# KiCad board TEST_PANEL.kicad_pcb (continued)
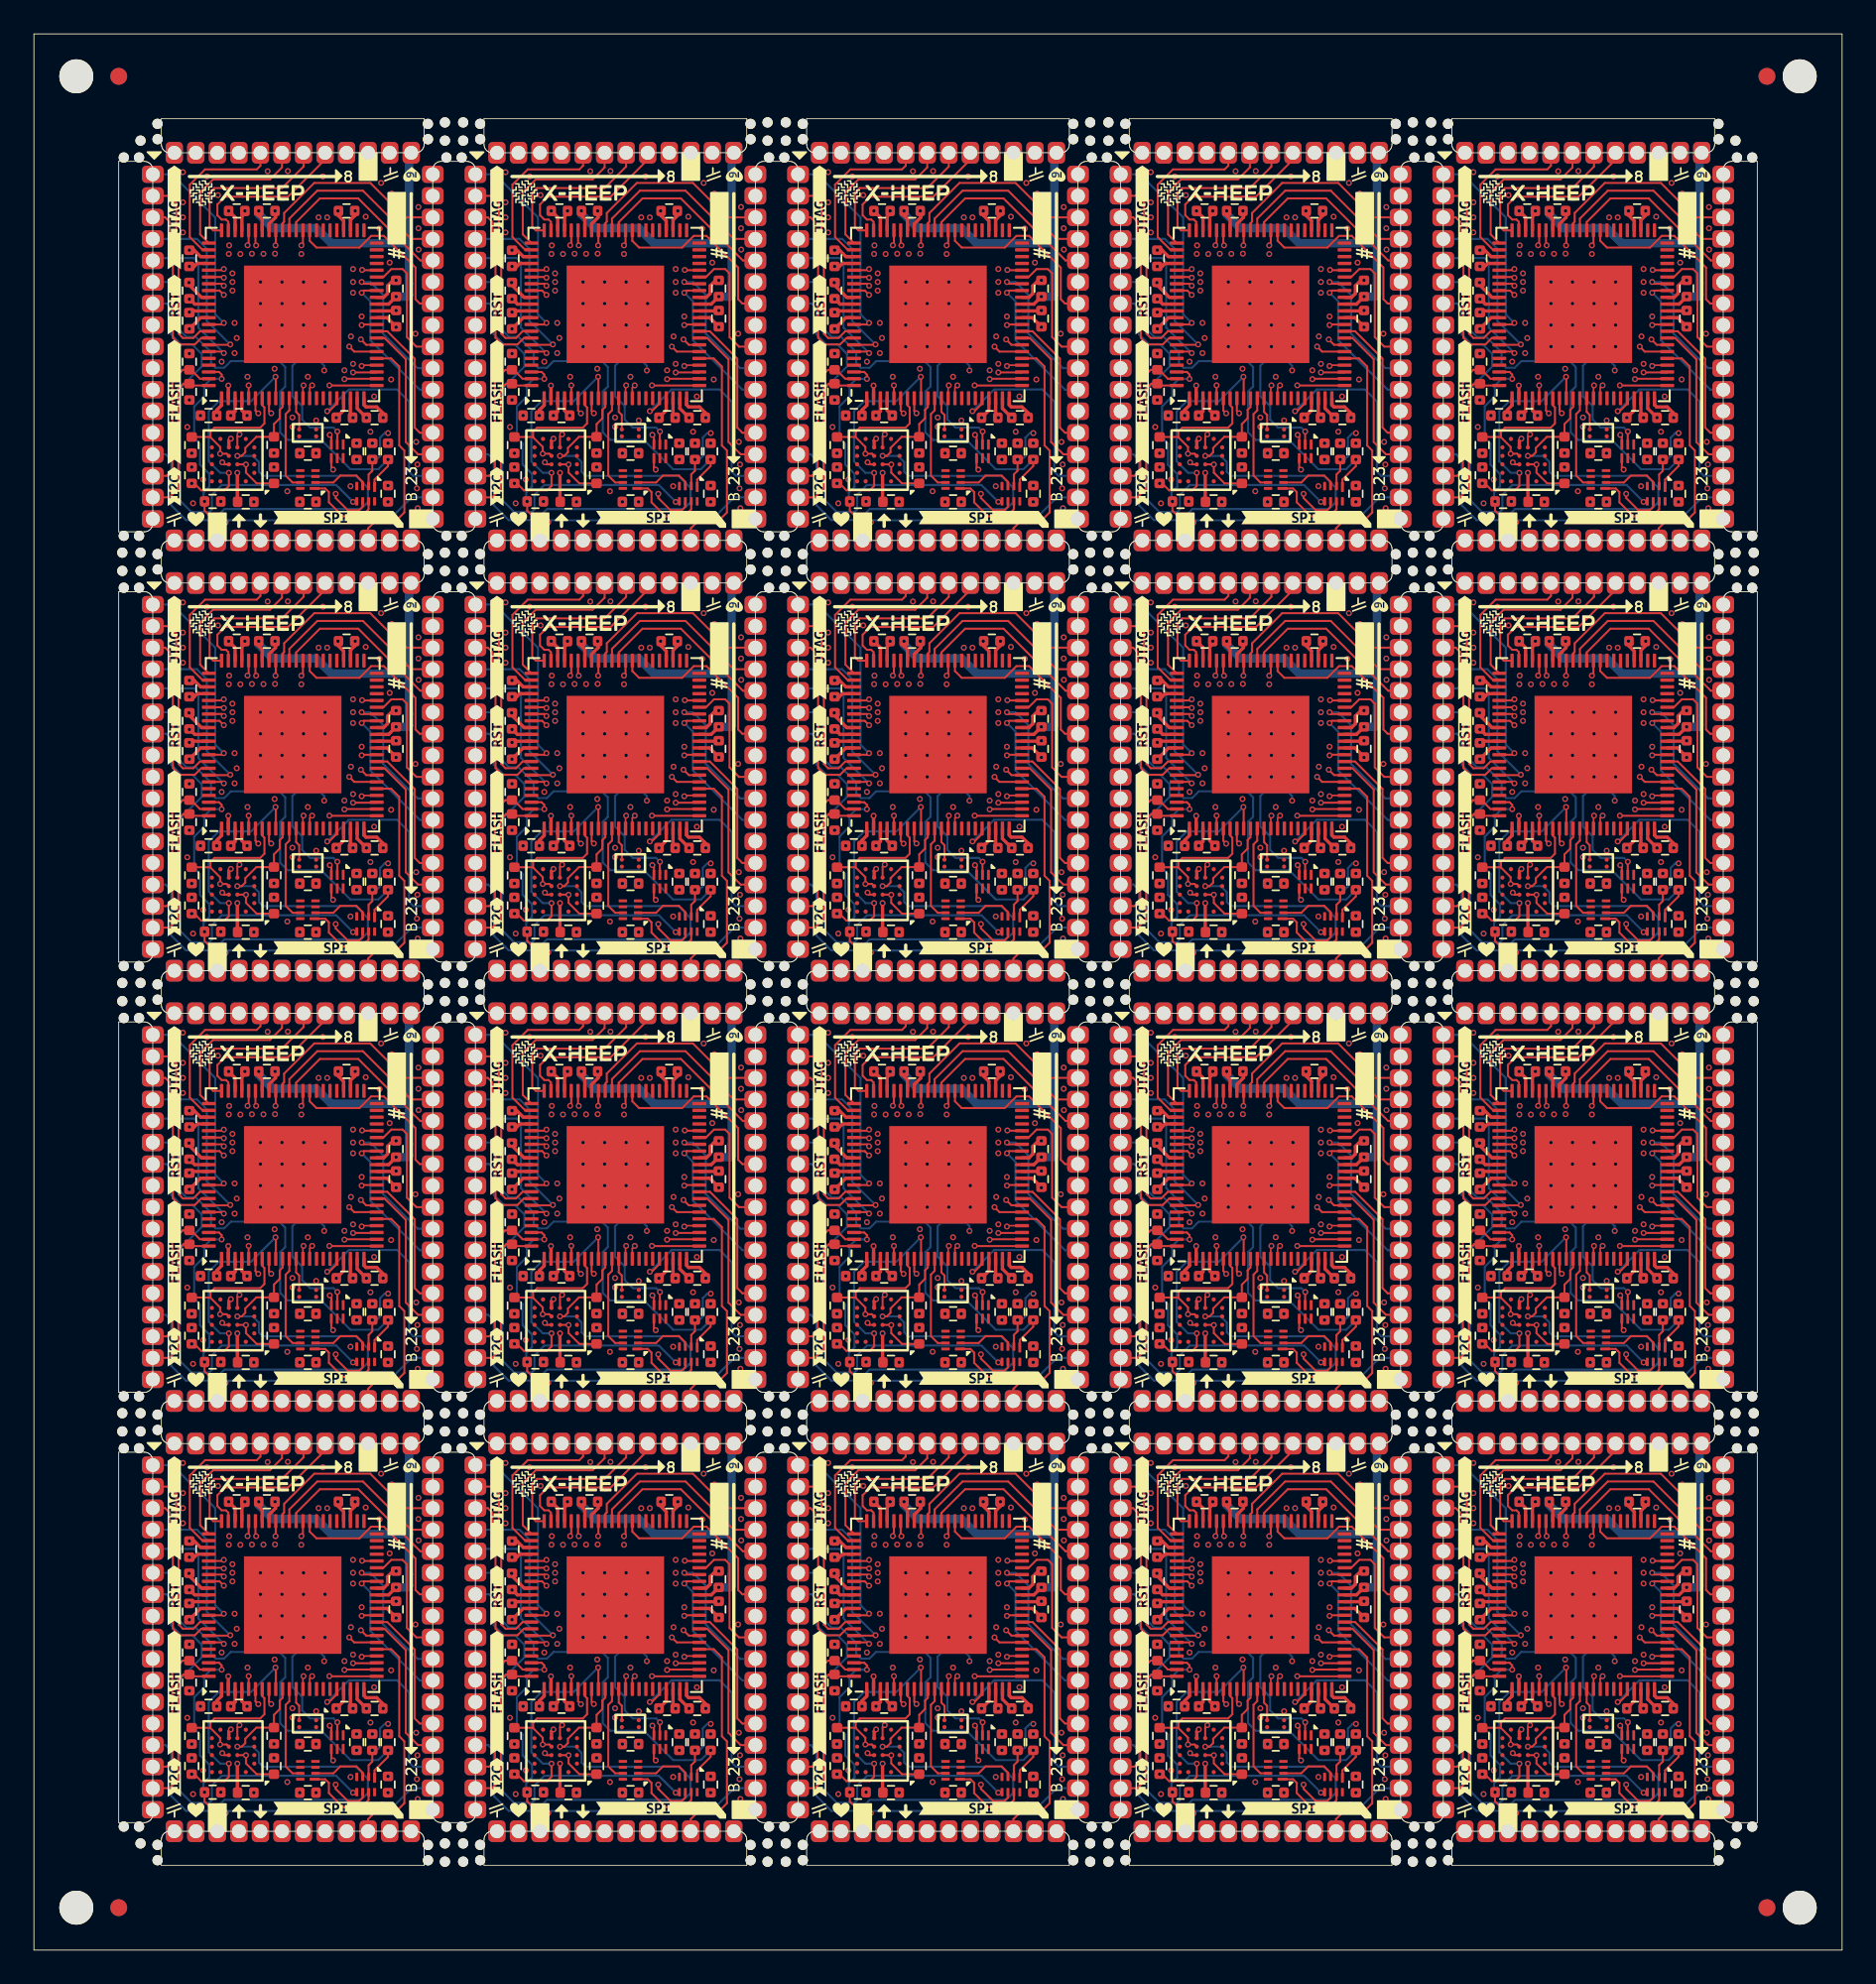
[diagram p0: board, top side]
## Routing (per net, layer and track width the routed paths; a pad name or vN(x,y) marks a point on that pad's centre or on a via; arc(x,y) is an arc through that point) (continued)
Board_15-FLASH_nHLD_nRST: length 402
  Top w0.12: R43.2 89.24,10.37 88.61,11.01 v1(88.61,11.49) 88.6,11.5 U22.C3 ; U26.8 13.86,40.01 v1(13.99,39.88) ; U67.C3 69.57,62.24 v1(69.58,62.23) 69.58,61.75 70.22,61.11 R124.2 ; U77.C3 12.5,87.61 v1(12.5,87.6) 12.5,87.12 13.14,86.48 R142.2 ; U27.C3 12.5,36.87 v1(12.5,36.86) 12.5,36.38 13.14,35.74 14.16,35.74 ; v1(33.02,65.25) 32.89,65.38 U56.8 ; U57.C3 31.52,62.24 v1(31.53,62.23) 31.53,61.75 32.16,61.11 R106.2 ; U71.8 89.97,65.38 v1(90.1,65.25) ; U66.8 70.94,65.38 v1(71.07,65.25) ; R97.2 13.14,61.11 12.5,61.75 v1(12.5,62.23) 12.5,62.24 U52.C3 ; 33.18,35.74 32.16,35.74 31.53,36.38 v1(31.53,36.86) 31.52,36.87 U32.C3 ; U76.8 13.86,90.75 v1(13.99,90.62) ; v1(13.99,65.25) 13.86,65.38 U51.8 ; U92.C3 69.57,87.61 v1(69.58,87.6) 69.58,87.12 70.22,86.48 R169.2 ; U96.8 89.97,90.75 v1(90.1,90.62) ; R16.2 32.16,10.37 31.53,11.01 v1(31.53,11.49) 31.52,11.5 U7.C3 ; v1(13.99,14.51) 13.86,14.64 U1.8 ; U86.8 51.91,90.75 v1(52.05,90.62) ; v1(90.1,39.88) 89.97,40.01 U46.8 ; U72.C3 88.6,62.24 v1(88.61,62.23) 88.61,61.75 89.24,61.11 R133.2 ; v1(71.07,14.51) 70.94,14.64 U16.8 ; U87.C3 50.55,87.61 v1(50.56,87.6) 50.56,87.12 51.19,86.48 R160.2 ; 71.23,35.74 70.22,35.74 69.58,36.38 v1(69.58,36.86) 69.57,36.87 U42.C3 ; U82.C3 31.52,87.61 v1(31.53,87.6) 31.53,87.12 32.16,86.48 R151.2 ; U11.8 51.91,14.64 v1(52.05,14.51) ; U36.8 51.91,40.01 v1(52.05,39.88) ; 52.21,35.74 51.19,35.74 50.56,36.38 v1(50.56,36.86) 50.55,36.87 U37.C3 ; U21.8 89.97,14.64 v1(90.1,14.51) ; U31.8 32.89,40.01 v1(33.02,39.88) ; R34.2 70.22,10.37 69.58,11.01 v1(69.58,11.49) 69.57,11.5 U17.C3 ; R7.2 13.14,10.37 12.5,11.01 v1(12.5,11.49) 12.5,11.5 U2.C3 ; U97.C3 88.6,87.61 v1(88.61,87.6) 88.61,87.12 89.24,86.48 R178.2 ; U81.8 32.89,90.75 v1(33.02,90.62) ; 90.26,35.74 89.24,35.74 88.61,36.38 v1(88.61,36.86) 88.6,36.87 U47.C3 ; U91.8 70.94,90.75 v1(71.07,90.62) ; U61.8 51.91,65.38 v1(52.05,65.25) ; U62.C3 50.55,62.24 v1(50.56,62.23) 50.56,61.75 51.19,61.11 R115.2 ; U12.C3 50.55,11.5 v1(50.56,11.49) 50.56,11.01 51.19,10.37 R25.2 ; U41.8 70.94,40.01 v1(71.07,39.88) ; v1(33.02,14.51) 32.89,14.64 U6.8
  In3.Cu w0.12: J17.13 26.82,89.47 27.17,89.12 27.17,85.77 28.17,84.77 31.12,84.77 31.5,85.15 31.5,85.75 32.02,86.27 32.02,87.62 ; 51.05,36.88 51.05,37.88 52.2,39.03 52.2,39.73 v1(52.05,39.88) ; 51.05,36.88 51.03,36.86 v1(50.56,36.86) ; 51.05,36.88 51.05,35.53 50.52,35 50.52,34.4 50.15,34.03 47.2,34.03 46.2,35.03 46.2,38.38 45.85,38.73 J8.13 ; 89.1,36.88 89.1,37.88 90.25,39.03 90.25,39.73 v1(90.1,39.88) ; 89.1,36.88 89.1,35.53 88.57,35 88.57,34.4 88.2,34.03 85.25,34.03 84.25,35.03 84.25,38.38 83.9,38.73 J10.13 ; 89.1,36.88 89.08,36.86 v1(88.61,36.86) ; 12.99,11.51 12.99,10.16 12.47,9.63 12.47,9.03 12.09,8.66 9.14,8.66 8.14,9.66 8.14,13.01 7.79,13.36 J1.13 ; 12.99,11.51 12.97,11.49 v1(12.5,11.49) ; 12.99,11.51 12.99,12.51 14.14,13.66 14.14,14.36 v1(13.99,14.51) ; 70.07,11.51 70.07,10.16 69.55,9.63 69.55,9.03 69.17,8.66 66.22,8.66 65.22,9.66 65.22,13.01 64.87,13.36 J4.13 ; 70.07,11.51 70.07,12.51 71.22,13.66 71.22,14.36 v1(71.07,14.51) ; 70.07,11.51 70.05,11.49 v1(69.58,11.49) ; v1(71.07,90.62) 71.22,90.47 71.22,89.77 70.07,88.62 70.07,87.62 ; J19.13 64.87,89.47 65.22,89.12 65.22,85.77 66.22,84.77 69.17,84.77 69.55,85.15 69.55,85.75 70.07,86.27 70.07,87.62 ; 51.05,62.25 51.05,63.25 52.2,64.4 52.2,65.1 v1(52.05,65.25) ; 51.05,62.25 51.05,60.9 50.52,60.37 50.52,59.77 50.15,59.4 47.2,59.4 46.2,60.4 46.2,63.75 45.85,64.1 J13.13 ; 51.05,62.25 51.03,62.23 v1(50.56,62.23) ; 70.07,87.62 70.05,87.6 v1(69.58,87.6) ; 89.1,11.51 89.1,12.51 90.25,13.66 90.25,14.36 v1(90.1,14.51) ; 89.1,11.51 89.1,10.16 88.57,9.63 88.57,9.03 88.2,8.66 85.25,8.66 84.25,9.66 84.25,13.01 83.9,13.36 J5.13 ; 89.1,11.51 89.08,11.49 v1(88.61,11.49) ; 89.1,62.25 89.08,62.23 v1(88.61,62.23) ; 89.1,62.25 89.1,63.25 90.25,64.4 90.25,65.1 v1(90.1,65.25) ; 89.1,62.25 89.1,60.9 88.57,60.37 88.57,59.77 88.2,59.4 85.25,59.4 84.25,60.4 84.25,63.75 83.9,64.1 J15.13 ; v1(12.5,87.6) 12.97,87.6 12.99,87.62 ; 70.07,36.88 70.07,35.53 69.55,35 69.55,34.4 69.17,34.03 66.22,34.03 65.22,35.03 65.22,38.38 64.87,38.73 J9.13 ; 70.07,36.88 70.05,36.86 v1(69.58,36.86) ; 70.07,36.88 70.07,37.88 71.22,39.03 71.22,39.73 v1(71.07,39.88) ; v1(31.53,11.49) 32,11.49 32.02,11.51 ; v1(88.61,87.6) 89.08,87.6 89.1,87.62 ; v1(31.53,62.23) 32,62.23 32.02,62.25 ; 12.99,62.25 12.99,60.9 12.47,60.37 12.47,59.77 12.09,59.4 9.14,59.4 8.14,60.4 8.14,63.75 7.79,64.1 J11.13 ; 12.99,62.25 12.97,62.23 v1(12.5,62.23) ; 12.99,62.25 12.99,63.25 14.14,64.4 14.14,65.1 v1(13.99,65.25) ; v1(33.02,39.88) 33.17,39.73 33.17,39.03 32.02,37.88 32.02,36.88 ; 12.99,36.88 12.99,37.88 14.14,39.03 14.14,39.73 v1(13.99,39.88) ; 12.99,36.88 12.99,35.53 12.47,35 12.47,34.4 12.09,34.03 9.14,34.03 8.14,35.03 8.14,38.38 7.79,38.73 J6.13 ; 12.99,36.88 12.97,36.86 v1(12.5,36.86) ; v1(31.53,36.86) 32,36.86 32.02,36.88 ; J7.13 26.82,38.73 27.17,38.38 27.17,35.03 28.17,34.03 31.12,34.03 31.5,34.4 31.5,35 32.02,35.53 32.02,36.88 ; 12.99,87.62 12.99,86.27 12.47,85.75 12.47,85.15 12.09,84.77 9.14,84.77 8.14,85.77 8.14,89.12 7.79,89.47 J16.13 ; 12.99,87.62 12.99,88.62 14.14,89.77 14.14,90.47 v1(13.99,90.62) ; 89.1,87.62 89.1,86.27 88.57,85.75 88.57,85.15 88.2,84.77 85.25,84.77 84.25,85.77 84.25,89.12 83.9,89.47 J20.13 ; 89.1,87.62 89.1,88.62 90.25,89.77 90.25,90.47 v1(90.1,90.62) ; 70.07,62.25 70.07,60.9 69.55,60.37 69.55,59.77 69.17,59.4 66.22,59.4 65.22,60.4 65.22,63.75 64.87,64.1 J14.13 ; 70.07,62.25 70.07,63.25 71.22,64.4 71.22,65.1 v1(71.07,65.25) ; 70.07,62.25 70.05,62.23 v1(69.58,62.23) ; J2.13 26.82,13.36 27.17,13.01 27.17,9.66 28.17,8.66 31.12,8.66 31.5,9.03 31.5,9.63 32.02,10.16 32.02,11.51 ; 32.02,11.51 32.02,12.51 33.17,13.66 33.17,14.36 v1(33.02,14.51) ; 51.05,11.51 51.05,10.16 50.52,9.63 50.52,9.03 50.15,8.66 47.2,8.66 46.2,9.66 46.2,13.01 45.85,13.36 J3.13 ; 51.05,11.51 51.05,12.51 52.2,13.66 52.2,14.36 v1(52.05,14.51) ; 51.05,11.51 51.03,11.49 v1(50.56,11.49) ; v1(31.53,87.6) 32,87.6 32.02,87.62 ; v1(33.02,65.25) 33.17,65.1 33.17,64.4 32.02,63.25 32.02,62.25 ; 51.05,87.62 51.05,86.27 50.52,85.75 50.52,85.15 50.15,84.77 47.2,84.77 46.2,85.77 46.2,89.12 45.85,89.47 J18.13 ; 51.05,87.62 51.03,87.6 v1(50.56,87.6) ; 51.05,87.62 51.05,88.62 52.2,89.77 52.2,90.47 v1(52.05,90.62) ; 32.02,87.62 32.02,88.62 33.17,89.77 33.17,90.47 v1(33.02,90.62) ; 32.02,62.25 32.02,60.9 31.5,60.37 31.5,59.77 31.12,59.4 28.17,59.4 27.17,60.4 27.17,63.75 26.82,64.1 J12.13
Board_15-FLASH_nWP: length 362.1
  Top w0.12: 28.48,63.85 29.42,63.85 29.44,63.83 ; 10.41,63.83 10.41,64.17 10.64,64.4 13.34,64.4 13.59,64.65 13.59,65.59 13.46,65.72 U51.7 ; 10.41,63.83 10.98,63.26 v1(10.98,62.86) 11.37,62.86 U52.D4 ; 10.41,63.83 10.39,63.85 9.46,63.85 ; 86.52,63.83 86.5,63.85 85.56,63.85 ; 86.52,63.83 87.08,63.26 v1(87.08,62.86) 87.47,62.86 U72.D4 ; 86.52,63.83 86.52,64.17 86.75,64.4 89.45,64.4 89.7,64.65 89.7,65.59 89.57,65.72 U71.7 ; 48.46,89.2 49.03,88.63 v1(49.03,88.23) 49.42,88.23 U87.D4 ; 48.46,89.2 48.44,89.22 47.51,89.22 ; 48.46,89.2 48.46,89.54 48.7,89.77 51.4,89.77 51.65,90.02 51.65,90.96 51.51,91.09 U86.7 ; 85.56,89.22 86.5,89.22 86.52,89.2 ; 48.46,63.83 48.44,63.85 47.51,63.85 ; 48.46,63.83 49.03,63.26 v1(49.03,62.86) 49.42,62.86 U62.D4 ; 48.46,63.83 48.46,64.17 48.7,64.4 51.4,64.4 51.65,64.65 51.65,65.59 51.51,65.72 U61.7 ; 10.41,13.09 10.41,13.43 10.64,13.66 13.34,13.66 13.59,13.91 13.59,14.85 13.46,14.98 U1.7 ; 10.41,13.09 10.39,13.11 9.46,13.11 ; 10.41,13.09 10.98,12.52 v1(10.98,12.12) 11.37,12.12 U2.D4 ; U26.7 13.46,40.35 13.59,40.22 13.59,39.28 13.34,39.03 10.64,39.03 10.41,38.8 10.41,38.46 ; 9.46,89.22 10.39,89.22 10.41,89.2 ; U57.D4 30.39,62.86 v1(30.01,62.86) 30.01,63.26 29.44,63.83 ; U22.D4 87.47,12.12 v1(87.08,12.12) 87.08,12.52 86.52,13.09 ; U21.7 89.57,14.98 89.7,14.85 89.7,13.91 89.45,13.66 86.75,13.66 86.52,13.43 86.52,13.09 ; 48.46,13.09 49.03,12.52 v1(49.03,12.12) 49.42,12.12 U12.D4 ; 48.46,13.09 48.44,13.11 47.51,13.11 ; 48.46,13.09 48.46,13.43 48.7,13.66 51.4,13.66 51.65,13.91 51.65,14.85 51.51,14.98 U11.7 ; 29.44,38.46 29.44,38.8 29.67,39.03 32.37,39.03 32.62,39.28 32.62,40.22 32.49,40.35 U31.7 ; 29.44,38.46 30.01,37.89 v1(30.01,37.49) 30.39,37.49 U32.D4 ; 29.44,38.46 29.42,38.48 28.48,38.48 ; 86.52,89.2 87.08,88.63 v1(87.08,88.23) 87.47,88.23 U97.D4 ; 86.52,89.2 86.52,89.54 86.75,89.77 89.45,89.77 89.7,90.02 89.7,90.96 89.57,91.09 U96.7 ; 67.49,38.46 67.49,38.8 67.72,39.03 70.42,39.03 70.67,39.28 70.67,40.22 70.54,40.35 U41.7 ; 67.49,38.46 67.47,38.48 66.53,38.48 ; 67.49,38.46 68.06,37.89 v1(68.06,37.49) 68.45,37.49 U42.D4 ; U76.7 13.46,91.09 13.59,90.96 13.59,90.02 13.34,89.77 10.64,89.77 10.41,89.54 10.41,89.2 ; 10.41,38.46 10.98,37.89 v1(10.98,37.49) 11.37,37.49 U27.D4 ; 10.41,38.46 10.39,38.48 9.46,38.48 ; 86.52,13.09 86.5,13.11 85.56,13.11 ; 67.49,89.2 67.47,89.22 66.53,89.22 ; 67.49,89.2 67.49,89.54 67.72,89.77 70.42,89.77 70.67,90.02 70.67,90.96 70.54,91.09 U91.7 ; 67.49,89.2 68.06,88.63 v1(68.06,88.23) 68.45,88.23 U92.D4 ; 10.41,89.2 10.98,88.63 v1(10.98,88.23) 11.37,88.23 U77.D4 ; U16.7 70.54,14.98 70.67,14.85 70.67,13.91 70.42,13.66 67.72,13.66 67.49,13.43 67.49,13.09 ; 29.44,89.2 30.01,88.63 v1(30.01,88.23) 30.39,88.23 U82.D4 ; 29.44,89.2 29.42,89.22 28.48,89.22 ; 29.44,89.2 29.44,89.54 29.67,89.77 32.37,89.77 32.62,90.02 32.62,90.96 32.49,91.09 U81.7 ; 67.49,63.83 67.49,64.17 67.72,64.4 70.42,64.4 70.67,64.65 70.67,65.59 70.54,65.72 U66.7 ; 67.49,63.83 67.47,63.85 66.53,63.85 ; 67.49,63.83 68.06,63.26 v1(68.06,62.86) 68.45,62.86 U67.D4 ; 67.49,13.09 68.06,12.52 v1(68.06,12.12) 68.45,12.12 U17.D4 ; 67.49,13.09 67.47,13.11 66.53,13.11 ; 86.52,38.46 87.08,37.89 v1(87.08,37.49) 87.47,37.49 U47.D4 ; 86.52,38.46 86.5,38.48 85.56,38.48 ; 86.52,38.46 86.52,38.8 86.75,39.03 89.45,39.03 89.7,39.28 89.7,40.22 89.57,40.35 U46.7 ; 48.46,38.46 48.44,38.48 47.51,38.48 ; 48.46,38.46 49.03,37.89 v1(49.03,37.49) 49.42,37.49 U37.D4 ; 48.46,38.46 48.46,38.8 48.7,39.03 51.4,39.03 51.65,39.28 51.65,40.22 51.51,40.35 U36.7 ; 29.44,63.83 29.44,64.17 29.67,64.4 32.37,64.4 32.62,64.65 32.62,65.59 32.49,65.72 U56.7 ; 29.44,13.09 29.44,13.43 29.67,13.66 32.37,13.66 32.62,13.91 32.62,14.85 32.49,14.98 U6.7 ; 29.44,13.09 29.42,13.11 28.48,13.11 ; 29.44,13.09 30.01,12.52 v1(30.01,12.12) 30.39,12.12 U7.D4
  In3.Cu w0.12: v1(68.06,88.23) 67.89,88.23 67.55,87.9 67.55,86.62 66.8,85.87 66.12,85.87 65.76,86.23 65.76,89.88 64.9,90.74 J19.12 64.27,90.92 ; 45.24,14.81 J3.12 45.88,14.63 46.74,13.77 46.74,10.12 47.1,9.76 47.78,9.76 48.53,10.51 48.53,11.79 48.86,12.12 v1(49.03,12.12) ; 83.29,40.18 83.11,40 83.93,40 84.79,39.14 84.79,35.49 85.15,35.13 85.83,35.13 86.58,35.88 86.58,37.16 86.91,37.49 v1(87.08,37.49) ; v1(87.08,12.12) 86.91,12.12 86.58,11.79 86.58,10.51 85.83,9.76 85.15,9.76 84.79,10.12 84.79,13.77 83.93,14.63 J5.12 83.29,14.81 ; v1(30.01,12.12) 29.83,12.12 29.5,11.79 29.5,10.51 28.75,9.76 28.07,9.76 27.71,10.12 27.71,13.77 26.85,14.63 J2.12 26.21,14.81 ; 83.29,65.55 J15.12 83.93,65.37 84.79,64.51 84.79,60.86 85.15,60.5 85.83,60.5 86.58,61.25 86.58,62.53 86.91,62.86 v1(87.08,62.86) ; 7.19,65.55 J11.12 7.82,65.37 8.68,64.51 8.68,60.86 9.04,60.5 9.72,60.5 10.47,61.25 10.47,62.53 10.81,62.86 v1(10.98,62.86) ; 26.21,65.55 J12.12 26.85,65.37 27.71,64.51 27.71,60.86 28.07,60.5 28.75,60.5 29.5,61.25 29.5,62.53 29.83,62.86 v1(30.01,62.86) ; 64.27,40.18 64.09,40 64.9,40 65.76,39.14 65.76,35.49 66.12,35.13 66.8,35.13 67.55,35.88 67.55,37.16 67.89,37.49 v1(68.06,37.49) ; 64.27,65.55 J14.12 64.9,65.37 65.76,64.51 65.76,60.86 66.12,60.5 66.8,60.5 67.55,61.25 67.55,62.53 67.89,62.86 v1(68.06,62.86) ; v1(87.08,88.23) 86.91,88.23 86.58,87.9 86.58,86.62 85.83,85.87 85.15,85.87 84.79,86.23 84.79,89.88 83.93,90.74 J20.12 83.29,90.92 ; 45.24,40.18 45.06,40 45.88,40 46.74,39.14 46.74,35.49 47.1,35.13 47.78,35.13 48.53,35.88 48.53,37.16 48.86,37.49 v1(49.03,37.49) ; v1(10.98,37.49) 10.81,37.49 10.47,37.16 10.47,35.88 9.72,35.13 9.04,35.13 8.68,35.49 8.68,39.14 7.82,40 7.01,40 7.19,40.18 ; v1(30.01,37.49) 29.83,37.49 29.5,37.16 29.5,35.88 28.75,35.13 28.07,35.13 27.71,35.49 27.71,39.14 26.85,40 26.03,40 26.21,40.18 ; v1(10.98,88.23) 10.81,88.23 10.47,87.9 10.47,86.62 9.72,85.87 9.04,85.87 8.68,86.23 8.68,89.88 7.82,90.74 J16.12 7.19,90.92 ; v1(68.06,12.12) 67.89,12.12 67.55,11.79 67.55,10.51 66.8,9.76 66.12,9.76 65.76,10.12 65.76,13.77 64.9,14.63 J4.12 64.27,14.81 ; 7.19,14.81 J1.12 7.82,14.63 8.68,13.77 8.68,10.12 9.04,9.76 9.72,9.76 10.47,10.51 10.47,11.79 10.81,12.12 v1(10.98,12.12) ; 45.24,90.92 J18.12 45.88,90.74 46.74,89.88 46.74,86.23 47.1,85.87 47.78,85.87 48.53,86.62 48.53,87.9 48.86,88.23 v1(49.03,88.23) ; v1(30.01,88.23) 29.83,88.23 29.5,87.9 29.5,86.62 28.75,85.87 28.07,85.87 27.71,86.23 27.71,89.88 26.85,90.74 J17.12 26.21,90.92 ; v1(49.03,62.86) 48.86,62.86 48.53,62.53 48.53,61.25 47.78,60.5 47.1,60.5 46.74,60.86 46.74,64.51 45.88,65.37 J13.12 45.24,65.55
Board_15-FLASH_SCK: length 624.3
  Top w0.12: v1(12,37.37) 12.25,37.37 12.46,37.58 12.46,37.83 13.12,38.49 R50.2 14.16,39.24 14.49,39.58 14.49,40.08 14.66,40.25 U26.10 ; v1(31.02,12) 31.28,12 31.49,12.21 31.49,12.46 32.14,13.12 R14.2 33.18,13.87 33.52,14.21 33.52,14.71 33.69,14.88 U6.10 ; U96.10 90.77,90.99 90.6,90.82 90.6,90.32 90.26,89.98 R176.2 89.22,89.23 88.57,88.58 88.57,88.32 88.35,88.11 v1(88.1,88.11) ; U61.10 52.72,65.62 52.55,65.45 52.55,64.95 52.21,64.61 R113.2 51.17,63.86 50.52,63.2 50.52,62.95 50.3,62.74 v1(50.05,62.74) ; U81.10 33.69,90.99 33.52,90.82 33.52,90.32 33.18,89.98 R149.2 32.14,89.23 31.49,88.58 31.49,88.32 31.28,88.11 v1(31.02,88.11) ; v1(50.05,12) 50.3,12 50.52,12.21 50.52,12.46 51.17,13.12 R23.2 52.21,13.87 52.55,14.21 52.55,14.71 52.72,14.88 U11.10 ; U46.10 90.77,40.25 90.6,40.08 90.6,39.58 90.26,39.24 R86.2 89.22,38.49 88.57,37.83 88.57,37.58 88.35,37.37 v1(88.1,37.37) ; U66.10 71.74,65.62 71.57,65.45 71.57,64.95 71.23,64.61 R122.2 70.2,63.86 69.54,63.2 69.54,62.95 69.33,62.74 v1(69.07,62.74) ; v1(12,12) 12.25,12 12.46,12.21 12.46,12.46 13.12,13.12 R5.2 14.16,13.87 14.49,14.21 14.49,14.71 14.66,14.88 U1.10 ; U91.10 71.74,90.99 71.57,90.82 71.57,90.32 71.23,89.98 R167.2 70.2,89.23 69.54,88.58 69.54,88.32 69.33,88.11 v1(69.07,88.11) ; U86.10 52.72,90.99 52.55,90.82 52.55,90.32 52.21,89.98 R158.2 51.17,89.23 50.52,88.58 50.52,88.32 50.3,88.11 v1(50.05,88.11) ; U21.10 90.77,14.88 90.6,14.71 90.6,14.21 90.26,13.87 R41.2 89.22,13.12 88.57,12.46 88.57,12.21 88.35,12 v1(88.1,12) ; U76.10 14.66,90.99 14.49,90.82 14.49,90.32 14.16,89.98 R140.2 13.12,89.23 12.46,88.58 12.46,88.32 12.25,88.11 v1(12,88.11) ; U71.10 90.77,65.62 90.6,65.45 90.6,64.95 90.26,64.61 R131.2 89.22,63.86 88.57,63.2 88.57,62.95 88.35,62.74 v1(88.1,62.74) ; U56.10 33.69,65.62 33.52,65.45 33.52,64.95 33.18,64.61 R104.2 32.14,63.86 31.49,63.2 31.49,62.95 31.28,62.74 v1(31.02,62.74) ; v1(69.07,37.37) 69.33,37.37 69.54,37.58 69.54,37.83 70.2,38.49 R77.2 71.23,39.24 71.57,39.58 71.57,40.08 71.74,40.25 U41.10 ; U36.10 52.72,40.25 52.55,40.08 52.55,39.58 52.21,39.24 R68.2 51.17,38.49 50.52,37.83 50.52,37.58 50.3,37.37 v1(50.05,37.37) ; U16.10 71.74,14.88 71.57,14.71 71.57,14.21 71.23,13.87 R32.2 70.2,13.12 69.54,12.46 69.54,12.21 69.33,12 v1(69.07,12) ; U31.10 33.69,40.25 33.52,40.08 33.52,39.58 33.18,39.24 R59.2 32.14,38.49 31.49,37.83 31.49,37.58 31.28,37.37 v1(31.02,37.37) ; v1(12,62.74) 12.25,62.74 12.46,62.95 12.46,63.2 13.12,63.86 R95.2 14.16,64.61 14.49,64.95 14.49,65.45 14.66,65.62 U51.10
  Bottom w0.12: v1(31.02,12) 31.93,12 32.3,11.63 32.3,11.06 32.53,10.82 38.01,10.82 38.72,10.11 38.72,9.27 38.31,8.86 30.26,8.86 29.61,8.21 28,8.21 27.12,9.08 27.12,11.76 26.79,12.09 J2.14 ; v1(12,12) 12.91,12 13.27,11.63 13.27,11.06 13.51,10.82 18.98,10.82 19.69,10.11 19.69,9.27 19.28,8.86 11.23,8.86 10.58,8.21 8.97,8.21 8.09,9.08 8.09,11.76 7.76,12.09 J1.14 ; v1(69.07,37.37) 69.98,37.37 70.35,37 70.35,36.43 70.59,36.19 76.06,36.19 76.77,35.48 76.77,34.64 76.36,34.23 68.31,34.23 67.66,33.58 66.05,33.58 65.17,34.45 65.17,37.13 64.84,37.46 J9.14 ; J7.14 26.79,37.46 27.12,37.13 27.12,34.45 28,33.58 29.61,33.58 30.26,34.23 38.31,34.23 38.72,34.64 38.72,35.48 38.01,36.19 32.53,36.19 32.3,36.43 32.3,37 31.93,37.37 v1(31.02,37.37) ; v1(50.05,37.37) 50.96,37.37 51.32,37 51.32,36.43 51.56,36.19 57.04,36.19 57.75,35.48 57.75,34.64 57.34,34.23 49.29,34.23 48.64,33.58 47.02,33.58 46.15,34.45 46.15,37.13 45.82,37.46 J8.14 ; J12.14 26.79,62.83 27.12,62.5 27.12,59.82 28,58.95 29.61,58.95 30.26,59.6 38.31,59.6 38.72,60.01 38.72,60.85 38.01,61.56 32.53,61.56 32.3,61.8 32.3,62.37 31.93,62.74 v1(31.02,62.74) ; v1(69.07,62.74) 69.98,62.74 70.35,62.37 70.35,61.8 70.59,61.56 76.06,61.56 76.77,60.85 76.77,60.01 76.36,59.6 68.31,59.6 67.66,58.95 66.05,58.95 65.17,59.82 65.17,62.5 64.84,62.83 J14.14 ; J16.14 7.76,88.2 8.09,87.87 8.09,85.2 8.97,84.32 10.58,84.32 11.23,84.97 19.28,84.97 19.69,85.38 19.69,86.22 18.98,86.93 13.51,86.93 13.27,87.17 13.27,87.75 12.91,88.11 v1(12,88.11) ; v1(69.07,88.11) 69.98,88.11 70.35,87.75 70.35,87.17 70.59,86.93 76.06,86.93 76.77,86.22 76.77,85.38 76.36,84.97 68.31,84.97 67.66,84.32 66.05,84.32 65.17,85.2 65.17,87.87 64.84,88.2 J19.14 ; v1(50.05,12) 50.96,12 51.32,11.63 51.32,11.06 51.56,10.82 57.04,10.82 57.75,10.11 57.75,9.27 57.34,8.86 49.29,8.86 48.64,8.21 47.02,8.21 46.15,9.08 46.15,11.76 45.82,12.09 J3.14 ; v1(50.05,88.11) 50.96,88.11 51.32,87.75 51.32,87.17 51.56,86.93 57.04,86.93 57.75,86.22 57.75,85.38 57.34,84.97 49.29,84.97 48.64,84.32 47.02,84.32 46.15,85.2 46.15,87.87 45.82,88.2 J18.14 ; J10.14 83.87,37.46 84.2,37.13 84.2,34.45 85.07,33.58 86.69,33.58 87.34,34.23 95.39,34.23 95.8,34.64 95.8,35.48 95.09,36.19 89.61,36.19 89.37,36.43 89.37,37 89.01,37.37 v1(88.1,37.37) ; v1(12,62.74) 12.91,62.74 13.27,62.37 13.27,61.8 13.51,61.56 18.98,61.56 19.69,60.85 19.69,60.01 19.28,59.6 11.23,59.6 10.58,58.95 8.97,58.95 8.09,59.82 8.09,62.5 7.76,62.83 J11.14 ; J13.14 45.82,62.83 46.15,62.5 46.15,59.82 47.02,58.95 48.64,58.95 49.29,59.6 57.34,59.6 57.75,60.01 57.75,60.85 57.04,61.56 51.56,61.56 51.32,61.8 51.32,62.37 50.96,62.74 v1(50.05,62.74) ; v1(12,37.37) 12.91,37.37 13.27,37 13.27,36.43 13.51,36.19 18.98,36.19 19.69,35.48 19.69,34.64 19.28,34.23 11.23,34.23 10.58,33.58 8.97,33.58 8.09,34.45 8.09,37.13 7.76,37.46 J6.14 ; v1(88.1,62.74) 89.01,62.74 89.37,62.37 89.37,61.8 89.61,61.56 95.09,61.56 95.8,60.85 95.8,60.01 95.39,59.6 87.34,59.6 86.69,58.95 85.07,58.95 84.2,59.82 84.2,62.5 83.87,62.83 J15.14 ; J20.14 83.87,88.2 84.2,87.87 84.2,85.2 85.07,84.32 86.69,84.32 87.34,84.97 95.39,84.97 95.8,85.38 95.8,86.22 95.09,86.93 89.61,86.93 89.37,87.17 89.37,87.75 89.01,88.11 v1(88.1,88.11) ; J17.14 26.79,88.2 27.12,87.87 27.12,85.2 28,84.32 29.61,84.32 30.26,84.97 38.31,84.97 38.72,85.38 38.72,86.22 38.01,86.93 32.53,86.93 32.3,87.17 32.3,87.75 31.93,88.11 v1(31.02,88.11) ; J4.14 64.84,12.09 65.17,11.76 65.17,9.08 66.05,8.21 67.66,8.21 68.31,8.86 76.36,8.86 76.77,9.27 76.77,10.11 76.06,10.82 70.59,10.82 70.35,11.06 70.35,11.63 69.98,12 v1(69.07,12) ; v1(88.1,12) 89.01,12 89.37,11.63 89.37,11.06 89.61,10.82 95.09,10.82 95.8,10.11 95.8,9.27 95.39,8.86 87.34,8.86 86.69,8.21 85.07,8.21 84.2,9.08 84.2,11.76 83.87,12.09 J5.14
Board_15-GND: length 339.1
  Top w0.12: v1(17.44,89.35) 17.54,89.25 U80.3 ; U25.3 93.64,13.14 v1(93.55,13.23) ; v1(74.52,13.23) 74.62,13.14 U20.3 ; v1(74.52,89.35) 74.62,89.25 U95.3 ; v1(55.5,89.35) 55.59,89.25 U90.3 ; v1(55.5,63.97) 55.59,63.88 U65.3 ; U60.3 36.56,63.88 v1(36.47,63.97) ; U70.3 74.62,63.88 v1(74.52,63.97) ; v1(17.44,38.6) 17.54,38.51 U30.3 ; v1(17.44,63.97) 17.54,63.88 U55.3 ; v1(55.5,13.23) 55.59,13.14 U15.3 ; U40.3 55.59,38.51 v1(55.5,38.6) ; v1(93.55,38.6) 93.64,38.51 U50.3 ; v1(17.44,13.23) 17.54,13.14 U5.3 ; U35.3 36.56,38.51 v1(36.47,38.6) ; U45.3 74.62,38.51 v1(74.52,38.6) ; U100.3 93.64,89.25 v1(93.55,89.35) ; U85.3 36.56,89.25 v1(36.47,89.35) ; U10.3 36.56,13.14 v1(36.47,13.23) ; U75.3 93.64,63.88 v1(93.55,63.97)
  Top w0.2: C325.1 94.77,90.49 U96.20 ; U71.22 95.57,65.74 95.69,65.62 96.32,65.62 96.67,65.27 C246.1 ; U21.20 94.77,14.38 C70.1 ; U32.E4 30.52,38.26 v1(30.64,38.38) ; v1(31.59,65.12) 31.29,65.42 U56.4 ; v1(12.57,39.74) 12.26,40.05 U26.4 ; U81.4 31.29,90.79 v1(31.59,90.49) ; C333.1 85.27,98.17 85.99,97.46 U96.75 ; U1.63 12.26,26.11 12.47,26.31 ; v1(68.54,41.51) U41.2 ; U51.77 9.27,71.28 C176.1 ; 52.3,51.78 52.3,51.43 51.91,51.04 U36.59 ; U11.47 56.72,25.9 56.97,26.16 C38.1 ; U91.47 75.74,102.01 76,102.27 C310.1 ; U96.36 96.73,97.46 96.95,97.68 96.95,98.13 97.28,98.46 v1(97.46,98.46) ; v1(97.46,71.31) 97.44,71.28 U71.34 ; 12.47,77.05 12.26,76.85 U51.63 ; 90.35,102.52 90.35,102.17 89.97,101.79 U96.59 ; C242.1 95.02,76.9 94.77,76.64 U71.47 ; C55.1 76,26.16 75.74,25.9 U16.47 ; U91.77 66.35,96.66 66.25,96.55 ; U36.69 47.88,49.11 47.5,49.5 v1(47.22,49.5) ; U91.22 76.54,91.11 76.66,90.99 77.29,90.99 77.65,90.64 C314.1 ; 50.52,102.42 50.31,102.22 U86.63 ; U26.47 18.66,51.27 18.92,51.53 C89.1 ; C263.1 20.57,90.64 20.22,90.99 19.58,90.99 19.46,91.11 U76.22 ; v1(30.49,16.14) U6.2 ; U6.36 39.65,21.34 39.88,21.57 39.88,22.02 40.2,22.35 v1(40.38,22.35) ; C174.1 18.92,76.9 18.66,76.64 U51.47 ; U61.34 59.38,71.28 v1(59.41,71.31) ; U36.34 59.38,45.91 v1(59.41,45.94) ; U86.75 47.93,97.46 47.22,98.17 C299.1 ; v1(30.64,13.01) 30.52,12.89 U7.E4 ; C87.1 18.66,39.75 U26.20 ; 50.52,26.31 50.31,26.11 U11.63 ; U46.34 97.44,45.91 v1(97.46,45.94) ; C227.1 66.35,71.28 U66.77 ; C112.1 28.19,47.43 28.91,46.71 U31.75 ; C123.1 56.97,51.53 56.72,51.27 U36.47 ; U96.34 97.44,96.66 v1(97.46,96.68) ; C19.1 37.69,14.38 U6.20 ; U16.34 78.41,20.54 v1(78.44,20.57) ; 69.55,77.05 69.34,76.85 U66.63 ; C144.1 77.65,39.9 77.29,40.25 76.66,40.25 76.54,40.37 U41.22 ; C140.1 76,51.53 75.74,51.27 U41.47 ; v1(87.57,92.25) U96.2 ; U96.22 95.57,91.11 95.69,90.99 96.32,90.99 96.67,90.64 C331.1 ; U1.77 9.27,20.54 C6.1 ; U86.22 57.51,91.11 57.63,90.99 58.27,90.99 58.62,90.64 C297.1 ; U66.36 77.7,72.08 77.93,72.31 77.93,72.76 78.26,73.09 v1(78.44,73.09) ; v1(40.38,96.68) 40.36,96.66 U81.34 ; v1(49.67,38.38) 49.55,38.26 U37.E4 ; C91.1 9.27,45.91 U26.77 ; v1(78.44,96.68) 78.41,96.66 U91.34 ; U36.77 47.32,45.91 C125.1 ; U51.59 13.86,76.42 14.25,76.8 14.25,77.15 ; 50.52,77.05 50.31,76.85 U61.63 ; U71.63 88.37,76.85 88.57,77.05 ; v1(68.54,16.14) U16.2 ; v1(66.25,100.24) 66.53,100.24 66.91,99.86 U91.69 ; v1(30.64,89.12) 30.52,89 U82.E4 ; C129.1 47.22,47.43 47.93,46.71 U36.75 ; U76.34 21.33,96.66 v1(21.36,96.68) ; U71.4 88.37,65.42 v1(88.67,65.12) ; 52.3,77.15 52.3,76.8 51.91,76.42 U61.59 ; U1.34 21.33,20.54 v1(21.36,20.57) ; 88.57,51.68 88.37,51.48 U46.63 ; C282.1 28.19,98.17 28.91,97.46 U81.75 ; 33.27,26.41 33.27,26.06 32.89,25.67 U6.59 ; U71.20 94.77,65.12 C240.1 ; C36.1 56.72,14.38 U11.20 ; U11.22 57.51,15 57.63,14.88 58.27,14.88 58.62,14.53 C42.1 ; v1(50.62,39.74) 50.31,40.05 U36.4 ; 71.32,102.52 71.32,102.17 70.94,101.79 U91.59 ; v1(85.27,49.5) 85.55,49.5 85.94,49.11 U46.69 ; v1(66.25,74.87) 66.53,74.87 66.91,74.48 67.39,74.48 ; U41.69 66.91,49.11 66.53,49.5 v1(66.25,49.5) ; U31.4 31.29,40.05 v1(31.59,39.74) ; U81.22 38.49,91.11 38.61,90.99 39.24,90.99 39.59,90.64 C280.1 ; C40.1 47.32,20.54 U11.77 ; v1(88.67,14.37) 88.37,14.68 U21.4 ; U76.63 12.26,102.22 12.47,102.42 ; C229.1 77.65,65.27 77.29,65.62 76.66,65.62 76.54,65.74 U66.22 ; v1(40.38,45.94) 40.36,45.91 U31.34 ; C180.1 9.17,72.8 9.88,72.08 U51.75 ; U16.36 77.7,21.34 77.93,21.57 77.93,22.02 78.26,22.35 v1(78.44,22.35) ; C316.1 66.25,98.17 66.96,97.46 U91.75 ; U21.69 85.94,23.74 85.55,24.12 v1(85.27,24.12) ; U6.75 28.91,21.34 28.19,22.06 C27.1 ; U51.34 21.33,71.28 v1(21.36,71.31) ; v1(49.51,41.51) U36.2 ; v1(21.36,22.35) 21.18,22.35 20.85,22.02 20.85,21.57 20.63,21.34 U1.36 ; v1(49.51,92.25) U86.2 ; U6.4 31.29,14.68 v1(31.59,14.37) ; 69.55,26.31 69.34,26.11 U16.63 ; v1(28.19,24.12) 28.47,24.12 28.86,23.74 U6.69 ; U26.75 9.88,46.71 9.17,47.43 C95.1 ; U6.63 31.29,26.11 31.5,26.31 ; v1(85.27,74.87) 85.55,74.87 85.94,74.48 86.42,74.48 ; v1(50.62,14.37) 50.31,14.68 U11.4 ; U71.59 89.97,76.42 90.35,76.8 90.35,77.15 ; v1(85.27,100.24) 85.55,100.24 85.94,99.86 U96.69 ; v1(30.49,92.25) U81.2 ; U56.22 38.49,65.74 38.61,65.62 39.24,65.62 39.59,65.27 C195.1 ; U21.34 97.44,20.54 v1(97.46,20.57) ; U56.36 39.65,72.08 39.88,72.31 39.88,72.76 40.2,73.09 v1(40.38,73.09) ; 29.34,74.48 28.86,74.48 28.47,74.87 v1(28.19,74.87) ; U81.47 37.69,102.01 37.94,102.27 C276.1 ; U62.E4 49.55,63.63 v1(49.67,63.75) ; v1(21.36,98.46) 21.18,98.46 20.85,98.13 20.85,97.68 20.63,97.46 U76.36 ; C61.1 66.25,22.06 66.96,21.34 U16.75 ; U11.59 51.91,25.67 52.3,26.06 52.3,26.41 ; C308.1 75.74,90.49 U91.20 ; U56.77 28.29,71.28 C193.1 ; U26.69 9.83,49.11 9.45,49.5 v1(9.17,49.5) ; v1(12.57,90.49) 12.26,90.79 U76.4 ; U1.69 9.83,23.74 9.45,24.12 v1(9.17,24.12) ; C72.1 95.02,26.16 94.77,25.9 U21.47 ; U26.59 13.86,51.04 14.25,51.43 14.25,51.78 ; U96.4 88.37,90.79 v1(88.67,90.49) ; C210.1 47.32,71.28 U61.77 ; v1(87.72,13.01) 87.6,12.89 U22.E4 ; U41.34 78.41,45.91 v1(78.44,45.94) ; v1(87.72,89.12) 87.6,89 U97.E4 ; U6.77 28.29,20.54 C23.1 ; v1(97.46,47.72) 97.28,47.72 96.95,47.39 96.95,46.94 96.73,46.71 U46.36 ; v1(11.46,66.88) U51.2 ; U66.47 75.74,76.64 76,76.9 C225.1 ; v1(11.46,16.14) U1.2 ; C146.1 66.25,47.43 66.96,46.71 U41.75 ; U6.34 40.36,20.54 v1(40.38,20.57) ; C138.1 75.74,39.75 U41.20 ; C110.1 39.59,39.9 39.24,40.25 38.61,40.25 38.49,40.37 U31.22 ; U41.36 77.7,46.71 77.93,46.94 77.93,47.39 78.26,47.72 v1(78.44,47.72) ; U76.75 9.88,97.46 9.17,98.17 C265.1 ; U11.69 47.88,23.74 47.5,24.12 v1(47.22,24.12) ; C121.1 56.72,39.75 U36.20 ; U21.75 85.99,21.34 85.27,22.06 C78.1 ; U66.4 69.34,65.42 v1(69.65,65.12) ; U46.59 89.97,51.04 90.35,51.43 90.35,51.78 ; C21.1 37.94,26.16 37.69,25.9 U6.47 ; 85.27,96.55 85.37,96.66 U96.77 ; 88.57,102.42 88.37,102.22 U96.63 ; U1.47 18.66,25.9 18.92,26.16 C4.1 ; U41.4 69.34,40.05 v1(69.65,39.74) ; v1(87.72,38.38) 87.6,38.26 U47.E4 ; 71.32,51.78 71.32,51.43 70.94,51.04 U41.59 ; U81.20 37.69,90.49 C274.1 ; C44.1 47.22,22.06 47.93,21.34 U11.75 ; C106.1 37.94,51.53 37.69,51.27 U31.47 ; v1(68.69,13.01) 68.57,12.89 U17.E4 ; U51.36 20.63,72.08 20.85,72.31 20.85,72.76 21.18,73.09 v1(21.36,73.09) ; C223.1 75.74,65.12 U66.20 ; C74.1 85.37,20.54 U21.77 ; 33.27,77.15 33.27,76.8 32.89,76.42 U56.59 ; U46.22 95.57,40.37 95.69,40.25 96.32,40.25 96.67,39.9 C161.1 ; C159.1 85.37,45.91 U46.77 ; U76.69 9.83,99.86 9.45,100.24 v1(9.17,100.24) ; v1(87.57,16.14) U21.2 ; 12.47,51.68 12.26,51.48 U26.63 ; U71.77 85.37,71.28 C244.1 ; U81.77 28.29,96.66 28.19,96.55 ; v1(30.49,41.51) U31.2 ; v1(69.65,14.37) 69.34,14.68 U16.4 ; v1(66.25,24.12) 66.53,24.12 66.91,23.74 U16.69 ; U86.20 56.72,90.49 C291.1 ; v1(40.38,71.31) 40.36,71.28 U56.34 ; C178.1 20.57,65.27 20.22,65.62 19.58,65.62 19.46,65.74 U51.22 ; 90.35,26.41 90.35,26.06 89.97,25.67 U21.59 ; U1.75 9.88,21.34 9.17,22.06 C10.1 ; U31.59 32.89,51.04 33.27,51.43 33.27,51.78 ; U21.22 95.57,15 95.69,14.88 96.32,14.88 96.67,14.53 C76.1 ; U71.75 85.99,72.08 85.27,72.8 C248.1 ; v1(12.57,14.37) 12.26,14.68 U1.4 ; U81.36 39.65,97.46 39.88,97.68 39.88,98.13 40.2,98.46 v1(40.38,98.46) ; 71.32,77.15 71.32,76.8 70.94,76.42 U66.59 ; U81.69 28.86,99.86 28.47,100.24 v1(28.19,100.24) ; 88.57,26.31 88.37,26.11 U21.63 ; C2.1 18.66,14.38 U1.20 ; U76.47 18.66,102.01 18.92,102.27 C259.1 ; U16.22 76.54,15 76.66,14.88 77.29,14.88 77.65,14.53 C59.1 ; C293.1 56.97,102.27 56.72,102.01 U86.47 ; 69.55,51.68 69.34,51.48 U41.63 ; U31.20 37.69,39.75 C104.1 ; v1(87.57,41.51) U46.2 ; v1(50.62,90.49) 50.31,90.79 U86.4 ; v1(59.41,96.68) 59.38,96.66 U86.34 ; U46.4 88.37,40.05 v1(88.67,39.74) ; C155.1 94.77,39.75 U46.20 ; U71.36 96.73,72.08 96.95,72.31 96.95,72.76 97.28,73.09 v1(97.46,73.09) ; 10.31,74.48 9.83,74.48 9.45,74.87 v1(9.17,74.87) ; C191.1 37.94,76.9 37.69,76.64 U56.47 ; U42.E4 68.57,38.26 v1(68.69,38.38) ; U36.36 58.68,46.71 58.9,46.94 58.9,47.39 59.23,47.72 v1(59.41,47.72) ; v1(59.41,73.09) 59.23,73.09 58.9,72.76 58.9,72.31 58.68,72.08 U61.36 ; C212.1 58.62,65.27 58.27,65.62 57.63,65.62 57.51,65.74 U61.22 ; C231.1 66.25,72.8 66.96,72.08 U66.75 ; C189.1 37.69,65.12 U56.20 ; v1(11.46,92.25) U76.2 ; U26.36 20.63,46.71 20.85,46.94 20.85,47.39 21.18,47.72 v1(21.36,47.72) ; C214.1 47.22,72.8 47.93,72.08 U61.75 ; U51.4 12.26,65.42 v1(12.57,65.12) ; U76.59 13.86,101.79 14.25,102.17 14.25,102.52 ; v1(30.49,66.88) U56.2 ; C197.1 28.19,72.8 28.91,72.08 U56.75 ; C163.1 85.27,47.43 85.99,46.71 U46.75 ; U26.22 19.46,40.37 19.58,40.25 20.22,40.25 20.57,39.9 C93.1 ; U66.34 78.41,71.28 v1(78.44,71.31) ; U16.20 75.74,14.38 C53.1 ; v1(68.69,89.12) 68.57,89 U92.E4 ; U91.36 77.7,97.46 77.93,97.68 77.93,98.13 78.26,98.46 v1(78.44,98.46) ; 31.5,102.42 31.29,102.22 U81.63 ; v1(21.36,45.94) 21.33,45.91 U26.34 ; U2.E4 11.5,12.89 v1(11.61,13.01) ; C127.1 58.62,39.9 58.27,40.25 57.63,40.25 57.51,40.37 U36.22 ; U31.36 39.65,46.71 39.88,46.94 39.88,47.39 40.2,47.72 v1(40.38,47.72) ; 48.37,74.48 47.88,74.48 47.5,74.87 v1(47.22,74.87) ; U91.63 69.34,102.22 69.55,102.42 ; U12.E4 49.55,12.89 v1(49.67,13.01) ; v1(59.41,20.57) 59.38,20.54 U11.34 ; U36.63 50.31,51.48 50.52,51.68 ; U31.69 28.86,49.11 28.47,49.5 v1(28.19,49.5) ; U76.20 18.66,90.49 C257.1 ; 31.5,77.05 31.29,76.85 U56.63 ; 14.25,26.41 14.25,26.06 13.86,25.67 U1.59 ; v1(87.57,66.88) U71.2 ; v1(69.65,90.49) 69.34,90.79 U91.4 ; 52.3,102.52 52.3,102.17 51.91,101.79 U86.59 ; v1(68.54,92.25) U91.2 ; U16.59 70.94,25.67 71.32,26.06 71.32,26.41 ; v1(87.72,63.75) 87.6,63.63 U72.E4 ; C157.1 95.02,51.53 94.77,51.27 U46.47 ; U16.77 66.35,20.54 C57.1 ; v1(68.69,63.75) 68.57,63.63 U67.E4 ; U31.63 31.29,51.48 31.5,51.68 ; C142.1 66.35,45.91 U41.77 ; C208.1 56.97,76.9 56.72,76.64 U61.47 ; U11.36 58.68,21.34 58.9,21.57 58.9,22.02 59.23,22.35 v1(59.41,22.35) ; v1(49.51,16.14) U11.2 ; U96.47 94.77,102.01 95.02,102.27 C327.1 ; v1(30.64,63.75) 30.52,63.63 U57.E4 ; v1(11.61,89.12) 11.5,89 U77.E4 ; U86.69 47.88,99.86 47.5,100.24 v1(47.22,100.24) ; v1(68.54,66.88) U66.2 ; C172.1 18.66,65.12 U51.20 ; U61.4 50.31,65.42 v1(50.62,65.12) ; C25.1 39.59,14.53 39.24,14.88 38.61,14.88 38.49,15 U6.22 ; 9.17,96.55 9.27,96.66 U76.77 ; 47.22,96.55 47.32,96.66 U86.77 ; U81.59 32.89,101.79 33.27,102.17 33.27,102.52 ; U27.E4 11.5,38.26 v1(11.61,38.38) ; U61.20 56.72,65.12 C206.1 ; v1(97.46,22.35) 97.28,22.35 96.95,22.02 96.95,21.57 96.73,21.34 U21.36 ; v1(11.61,63.75) 11.5,63.63 U52.E4 ; U87.E4 49.55,89 v1(49.67,89.12) ; U31.77 28.29,45.91 C108.1 ; v1(11.46,41.51) U26.2 ; U86.36 58.68,97.46 58.9,97.68 58.9,98.13 59.23,98.46 v1(59.41,98.46) ; v1(49.51,66.88) U61.2 ; U1.22 19.46,15 19.58,14.88 20.22,14.88 20.57,14.53 C8.1